# Altium PCB JTAG批量下载板-V1.6-ASCII.PcbDoc (part 11 of 14)
Units mil, origin at the board's own origin, x right, y up, seen from the top; angles counter-clockwise.
Board outline 7947.6 x 7007.76 mil, 2 copper layers (Top Layer, Bottom Layer); 207 components, 340 nets, 1329 pads, 792 vias.
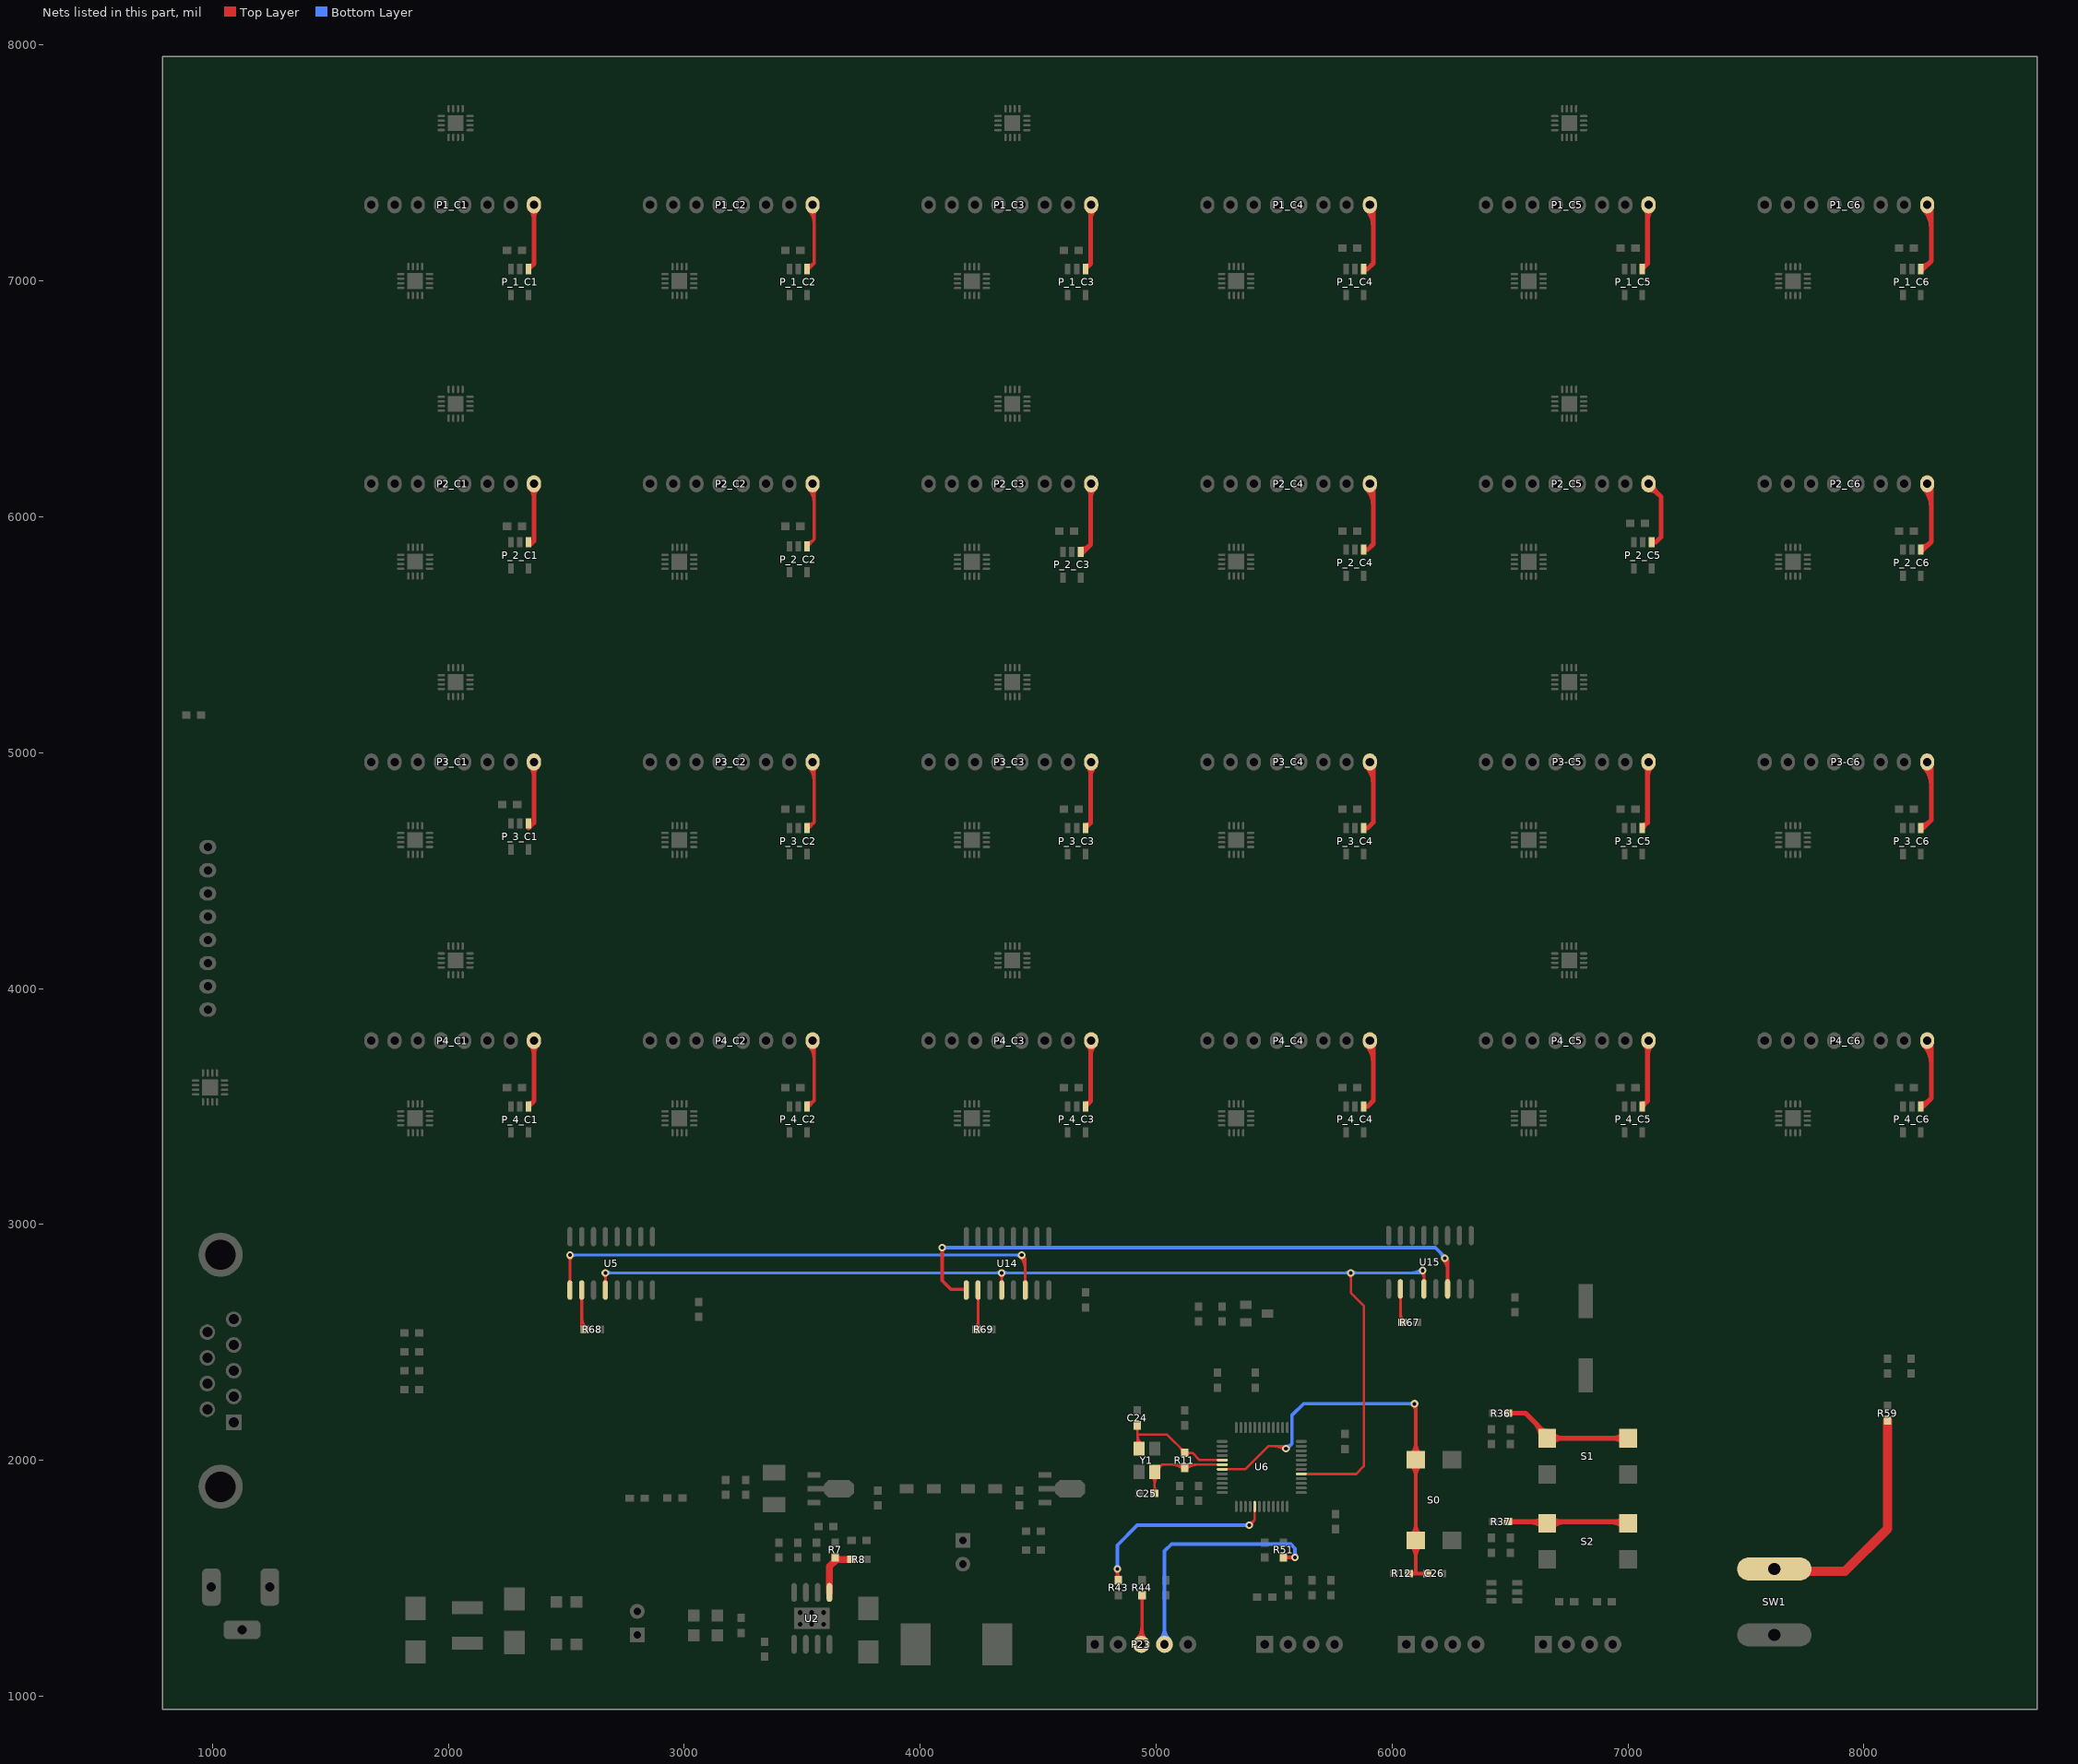
[diagram p11: the nets of this part, all layers, seen from the top]

## Via types
v1: diameter 32, hole 16, Top Layer to Bottom Layer, 721 vias
v2: diameter 50, hole 28, Top Layer to Bottom Layer, 45 vias
v3: diameter 40, hole 20, Top Layer to Bottom Layer, 26 vias

## Nets (pads, with @x,y where several pads share a name; then routed paths per layer and width w, separated by ;. In a path a pad name is that pad's centre, name@x,y a point inside that pad or via, vN(x,y) a via of type N, cw(c..) or ccw(c..) an arc to the next point about the centre after c; other vN are vias at no path point) (continued)
NetR7_2: R7.2 R8.1 U2.5 | length 427.1
  Top Layer w30: U2.5@3615,1440 3615,1550 3645,1580 R8.1@3708.5,1580 ; 3630.57,1565.57 ccw(c3609.6,1586.54) R7.2@3639.25,1586.54 ; 3630.57,1565.57 ccw(c3609.6,1586.54) R7.2@3639.25,1586.54 ; 3630.57,1565.57 ccw(c3609.6,1586.54) R7.2@3639.25,1586.54 ; 3630.57,1565.57 ccw(c3609.6,1586.54) R7.2@3639.25,1586.54 ; 3630.57,1565.57 ccw(c3609.6,1586.54) R7.2@3639.25,1586.54 ; R7.2@3640.53,1587.06 ccw(c3657.58,1604.12) 3657.58,1580 ; R7.2@3640.53,1587.06 ccw(c3657.58,1604.12) 3657.58,1580 ; R7.2@3640.53,1587.06 ccw(c3657.58,1604.12) 3657.58,1580 ; R7.2@3640.53,1587.06 ccw(c3657.58,1604.12) 3657.58,1580 ; R7.2@3640.53,1587.06 ccw(c3657.58,1604.12) 3657.58,1580
NetR36_2: R36.2 S1.3 S1.4 | length 2295.3
  Top Layer w20: R36.2@6491.5,2200 6565,2200 6671.46,2093.54 S1.4@7000,2093.54 ; 6602.21,2162.79 cw(c6534.94,2095.51) S1.3@6630.08,2095.51 ; 6602.21,2162.79 cw(c6534.94,2095.51) S1.3@6630.08,2095.51 ; 6602.21,2162.79 cw(c6534.94,2095.51) S1.3@6630.08,2095.51 ; 6602.21,2162.79 cw(c6534.94,2095.51) S1.3@6630.08,2095.51 ; 6602.21,2162.79 cw(c6534.94,2095.51) S1.3@6630.08,2095.51 ; 6631.2,2133.8 ccw(c6657.48,2160.08) S1.3@6657.48,2122.91 ; 6631.2,2133.8 ccw(c6657.48,2160.08) S1.3@6657.48,2122.91 ; 6631.2,2133.8 ccw(c6657.48,2160.08) S1.3@6657.48,2122.91 ; 6631.2,2133.8 ccw(c6657.48,2160.08) S1.3@6657.48,2122.91 ; 6631.2,2133.8 ccw(c6657.48,2160.08) S1.3@6657.48,2122.91 ; S1.3@6636.35,2128.65 cw(c6603.22,2095.51) S1.3@6650.08,2095.51 ; S1.3@6636.35,2128.65 cw(c6603.22,2095.51) S1.3@6650.08,2095.51 ; S1.3@6636.35,2128.65 cw(c6603.22,2095.51) S1.3@6650.08,2095.51 ; S1.3@6636.35,2128.65 cw(c6603.22,2095.51) S1.3@6650.08,2095.51 ; S1.3@6636.35,2128.65 cw(c6603.22,2095.51) S1.3@6650.08,2095.51 ; S1.3@6676.86,2074.17 cw(c6723.63,2027.39) 6723.63,2093.54 ; S1.3@6676.86,2074.17 cw(c6723.63,2027.39) 6723.63,2093.54 ; S1.3@6676.86,2074.17 cw(c6723.63,2027.39) 6723.63,2093.54 ; S1.3@6676.86,2074.17 cw(c6723.63,2027.39) 6723.63,2093.54 ; S1.3@6676.86,2074.17 cw(c6723.63,2027.39) 6723.63,2093.54 ; S1.3@6676.86,2112.92 ccw(c6723.63,2159.7) 6723.63,2093.54 ; S1.3@6676.86,2112.92 ccw(c6723.63,2159.7) 6723.63,2093.54 ; S1.3@6676.86,2112.92 ccw(c6723.63,2159.7) 6723.63,2093.54 ; S1.3@6676.86,2112.92 ccw(c6723.63,2159.7) 6723.63,2093.54 ; S1.3@6676.86,2112.92 ccw(c6723.63,2159.7) 6723.63,2093.54 ; 6933.85,2093.54 cw(c6933.85,2027.39) S1.4@6980.62,2074.17 ; 6933.85,2093.54 ccw(c6933.85,2159.7) S1.4@6980.62,2112.92 ; 6933.85,2093.54 cw(c6933.85,2027.39) S1.4@6980.62,2074.17 ; 6933.85,2093.54 ccw(c6933.85,2159.7) S1.4@6980.62,2112.92 ; 6933.85,2093.54 cw(c6933.85,2027.39) S1.4@6980.62,2074.17 ; 6933.85,2093.54 ccw(c6933.85,2159.7) S1.4@6980.62,2112.92 ; 6933.85,2093.54 cw(c6933.85,2027.39) S1.4@6980.62,2074.17 ; 6933.85,2093.54 ccw(c6933.85,2159.7) S1.4@6980.62,2112.92 ; 6933.85,2093.54 cw(c6933.85,2027.39) S1.4@6980.62,2074.17 ; 6933.85,2093.54 ccw(c6933.85,2159.7) S1.4@6980.62,2112.92
NetR37_2: R37.2 S2.3 S2.4 | length 2069.9
  Top Layer w20: R37.2@6491.5,1740 6993.54,1740 S2.4@7000,1733.54 ; 6580.49,1740 cw(c6580.49,1658.52) S2.3@6638.1,1716.14 ; 6580.49,1740 cw(c6580.49,1658.52) S2.3@6638.1,1716.14 ; 6580.49,1740 cw(c6580.49,1658.52) S2.3@6638.1,1716.14 ; 6580.49,1740 cw(c6580.49,1658.52) S2.3@6638.1,1716.14 ; 6580.49,1740 cw(c6580.49,1658.52) S2.3@6638.1,1716.14 ; 6602.16,1740 ccw(c6602.16,1790.83) S2.3@6638.1,1754.89 ; 6602.16,1740 ccw(c6602.16,1790.83) S2.3@6638.1,1754.89 ; 6602.16,1740 ccw(c6602.16,1790.83) S2.3@6638.1,1754.89 ; 6602.16,1740 ccw(c6602.16,1790.83) S2.3@6638.1,1754.89 ; 6602.16,1740 ccw(c6602.16,1790.83) S2.3@6638.1,1754.89 ; S2.3@6676.86,1716.14 cw(c6734.47,1658.52) 6734.47,1740 ; S2.3@6676.86,1716.14 cw(c6734.47,1658.52) 6734.47,1740 ; S2.3@6676.86,1716.14 cw(c6734.47,1658.52) 6734.47,1740 ; S2.3@6676.86,1716.14 cw(c6734.47,1658.52) 6734.47,1740 ; S2.3@6676.86,1716.14 cw(c6734.47,1658.52) 6734.47,1740 ; S2.3@6676.86,1754.89 ccw(c6712.8,1790.83) 6712.8,1740 ; S2.3@6676.86,1754.89 ccw(c6712.8,1790.83) 6712.8,1740 ; S2.3@6676.86,1754.89 ccw(c6712.8,1790.83) 6712.8,1740 ; S2.3@6676.86,1754.89 ccw(c6712.8,1790.83) 6712.8,1740 ; S2.3@6676.86,1754.89 ccw(c6712.8,1790.83) 6712.8,1740 ; 6923.01,1740 cw(c6923.01,1658.52) S2.4@6980.62,1716.14 ; 6923.01,1740 cw(c6923.01,1658.52) S2.4@6980.62,1716.14 ; 6923.01,1740 cw(c6923.01,1658.52) S2.4@6980.62,1716.14 ; 6923.01,1740 cw(c6923.01,1658.52) S2.4@6980.62,1716.14 ; 6923.01,1740 cw(c6923.01,1658.52) S2.4@6980.62,1716.14 ; 6944.68,1740 ccw(c6944.68,1790.83) S2.4@6980.62,1754.89 ; 6944.68,1740 ccw(c6944.68,1790.83) S2.4@6980.62,1754.89 ; 6944.68,1740 ccw(c6944.68,1790.83) S2.4@6980.62,1754.89 ; 6944.68,1740 ccw(c6944.68,1790.83) S2.4@6980.62,1754.89 ; 6944.68,1740 ccw(c6944.68,1790.83) S2.4@6980.62,1754.89
NetR59_1: R59.1 SW1.2 | length 1149
  Top Layer w40: SW1.2@7565,1530 7920,1530 8100,1710 R59.1@8100,2168.5 ; SW1.2@7688.92,1560.18 ccw(c7761.79,1633.05) SW1.2@7761.79,1530
NetR67_2: R67.2 U15.10 | length 416.9
  Top Layer w12: U15.10@6035,2726.81 6035,2593.5 R67.2@6043.5,2585 ; U15.10@6031.59,2692.89 cw(c6023.35,2684.65) 6035,2684.65 ; U15.10@6031.59,2692.89 cw(c6023.35,2684.65) 6035,2684.65 ; U15.10@6031.59,2692.89 cw(c6023.35,2684.65) 6035,2684.65 ; U15.10@6031.59,2692.89 cw(c6023.35,2684.65) 6035,2684.65 ; U15.10@6031.59,2692.89 cw(c6023.35,2684.65) 6035,2684.65 ; 6035,2624.31 ccw(c6080.85,2624.31) R67.2@6048.43,2591.89 ; 6035,2624.31 ccw(c6080.85,2624.31) R67.2@6048.43,2591.89 ; 6035,2624.31 ccw(c6080.85,2624.31) R67.2@6048.43,2591.89 ; 6035,2624.31 ccw(c6080.85,2624.31) R67.2@6048.43,2591.89 ; 6035,2624.31 ccw(c6080.85,2624.31) R67.2@6048.43,2591.89 ; 6035,2684.65 cw(c6046.65,2684.65) U15.10@6038.41,2692.89 ; 6035,2684.65 cw(c6046.65,2684.65) U15.10@6038.41,2692.89 ; 6035,2684.65 cw(c6046.65,2684.65) U15.10@6038.41,2692.89 ; 6035,2684.65 cw(c6046.65,2684.65) U15.10@6038.41,2692.89 ; 6035,2684.65 cw(c6046.65,2684.65) U15.10@6038.41,2692.89
NetR68_2: R68.2 U5.10 | length 644.3
  Top Layer w12: U5.10@2565,2721.81 2565,2568.5 R68.2@2578.5,2555 ; U5.10@2561.59,2687.89 cw(c2553.35,2679.65) 2565,2679.65 ; U5.10@2561.59,2687.89 cw(c2553.35,2679.65) 2565,2679.65 ; U5.10@2561.59,2687.89 cw(c2553.35,2679.65) 2565,2679.65 ; U5.10@2561.59,2687.89 cw(c2553.35,2679.65) 2565,2679.65 ; U5.10@2561.59,2687.89 cw(c2553.35,2679.65) 2565,2679.65 ; 2565,2577.41 ccw(c2598.95,2577.41) R68.2@2574.94,2553.41 ; 2565,2577.41 ccw(c2598.95,2577.41) R68.2@2574.94,2553.41 ; 2565,2577.41 ccw(c2598.95,2577.41) R68.2@2574.94,2553.41 ; 2565,2577.41 ccw(c2598.95,2577.41) R68.2@2574.94,2553.41 ; 2565,2577.41 ccw(c2598.95,2577.41) R68.2@2574.94,2553.41 ; 2565,2606.38 ccw(c2627.92,2606.38) R68.2@2583.43,2561.89 ; 2565,2606.38 ccw(c2627.92,2606.38) R68.2@2583.43,2561.89 ; 2565,2606.38 ccw(c2627.92,2606.38) R68.2@2583.43,2561.89 ; 2565,2606.38 ccw(c2627.92,2606.38) R68.2@2583.43,2561.89 ; 2565,2606.38 ccw(c2627.92,2606.38) R68.2@2583.43,2561.89 ; 2565,2679.65 cw(c2576.65,2679.65) U5.10@2568.41,2687.89 ; 2565,2679.65 cw(c2576.65,2679.65) U5.10@2568.41,2687.89 ; 2565,2679.65 cw(c2576.65,2679.65) U5.10@2568.41,2687.89 ; 2565,2679.65 cw(c2576.65,2679.65) U5.10@2568.41,2687.89 ; 2565,2679.65 cw(c2576.65,2679.65) U5.10@2568.41,2687.89
NetR69_2: R69.2 U14.10 | length 414.1
  Top Layer w12: R69.2@4238.5,2555 4245,2561.5 U14.10@4245,2721.81 ; R69.2@4233.58,2561.89 ccw(c4206.01,2589.46) 4245,2589.46 ; R69.2@4233.58,2561.89 ccw(c4206.01,2589.46) 4245,2589.46 ; R69.2@4233.58,2561.89 ccw(c4206.01,2589.46) 4245,2589.46 ; R69.2@4233.58,2561.89 ccw(c4206.01,2589.46) 4245,2589.46 ; R69.2@4233.58,2561.89 ccw(c4206.01,2589.46) 4245,2589.46 ; U14.10@4241.59,2687.89 cw(c4233.35,2679.65) 4245,2679.65 ; U14.10@4241.59,2687.89 cw(c4233.35,2679.65) 4245,2679.65 ; U14.10@4241.59,2687.89 cw(c4233.35,2679.65) 4245,2679.65 ; U14.10@4241.59,2687.89 cw(c4233.35,2679.65) 4245,2679.65 ; U14.10@4241.59,2687.89 cw(c4233.35,2679.65) 4245,2679.65 ; 4245,2679.65 cw(c4256.65,2679.65) U14.10@4248.41,2687.89 ; 4245,2679.65 cw(c4256.65,2679.65) U14.10@4248.41,2687.89 ; 4245,2679.65 cw(c4256.65,2679.65) U14.10@4248.41,2687.89 ; 4245,2679.65 cw(c4256.65,2679.65) U14.10@4248.41,2687.89 ; 4245,2679.65 cw(c4256.65,2679.65) U14.10@4248.41,2687.89
NRST: C26.1 R12.1 S0.1 S0.2 U6.7 | length 4835.1
  Top Layer w10: U6.7@5280,1961.89 5376.89,1961.89 5475,2060 5540,2060 v1(5550,2050) ; 5499.3,2060 cw(c5499.3,1999.3) v1@5542.22,2042.22 ; 5523.44,2060 cw(c5523.44,2023.44) v1@5549.29,2049.29
  Top Layer w16: R12.1@6071.5,1520 C26.1@6148.5,1520 ; v1(6095,2240) 6100,2235 6100,1520 ; R12.1@6078.94,1514.52 cw(c6092.17,1501.29) 6092.17,1520 ; R12.1@6078.94,1514.52 cw(c6092.17,1501.29) 6092.17,1520 ; R12.1@6078.94,1514.52 cw(c6092.17,1501.29) 6092.17,1520 ; R12.1@6078.94,1514.52 cw(c6092.17,1501.29) 6092.17,1520 ; R12.1@6078.94,1514.52 cw(c6092.17,1501.29) 6092.17,1520 ; R12.1@6078.94,1525.48 ccw(c6092.17,1538.71) 6092.17,1520 ; R12.1@6078.94,1525.48 ccw(c6092.17,1538.71) 6092.17,1520 ; R12.1@6078.94,1525.48 ccw(c6092.17,1538.71) 6092.17,1520 ; R12.1@6078.94,1525.48 ccw(c6092.17,1538.71) 6092.17,1520 ; R12.1@6078.94,1525.48 ccw(c6092.17,1538.71) 6092.17,1520 ; S0.1@6079.21,1639.21 cw(c6029.02,1589.02) 6100,1589.02 ; S0.1@6079.21,1639.21 cw(c6029.02,1589.02) 6100,1589.02 ; S0.1@6079.21,1639.21 cw(c6029.02,1589.02) 6100,1589.02 ; S0.1@6079.21,1639.21 cw(c6029.02,1589.02) 6100,1589.02 ; S0.1@6079.21,1639.21 cw(c6029.02,1589.02) 6100,1589.02 ; S0.1@6079.21,1680.79 ccw(c6029.02,1730.98) 6100,1730.98 ; S0.1@6079.21,1680.79 ccw(c6029.02,1730.98) 6100,1730.98 ; S0.1@6079.21,1680.79 ccw(c6029.02,1730.98) 6100,1730.98 ; S0.1@6079.21,1680.79 ccw(c6029.02,1730.98) 6100,1730.98 ; S0.1@6079.21,1680.79 ccw(c6029.02,1730.98) 6100,1730.98 ; S0.2@6079.21,1981.73 cw(c6029.02,1931.54) 6100,1931.54 ; S0.2@6079.21,1981.73 cw(c6029.02,1931.54) 6100,1931.54 ; S0.2@6079.21,1981.73 cw(c6029.02,1931.54) 6100,1931.54 ; S0.2@6079.21,1981.73 cw(c6029.02,1931.54) 6100,1931.54 ; S0.2@6079.21,1981.73 cw(c6029.02,1931.54) 6100,1931.54 ; S0.2@6079.21,2023.31 ccw(c6029.02,2073.5) 6100,2073.5 ; S0.2@6079.21,2023.31 ccw(c6029.02,2073.5) 6100,2073.5 ; S0.2@6079.21,2023.31 ccw(c6029.02,2073.5) 6100,2073.5 ; S0.2@6079.21,2023.31 ccw(c6029.02,2073.5) 6100,2073.5 ; S0.2@6079.21,2023.31 ccw(c6029.02,2073.5) 6100,2073.5 ; v1@6089.34,2234.34 cw(c6063.62,2208.62) 6100,2208.62 ; v1@6089.34,2234.34 cw(c6063.62,2208.62) 6100,2208.62 ; v1@6089.34,2234.34 cw(c6063.62,2208.62) 6100,2208.62 ; v1@6089.34,2234.34 cw(c6063.62,2208.62) 6100,2208.62 ; v1@6089.34,2234.34 cw(c6063.62,2208.62) 6100,2208.62 ; 6100,1589.02 cw(c6170.98,1589.02) S0.1@6120.79,1639.21 ; 6100,1589.02 cw(c6170.98,1589.02) S0.1@6120.79,1639.21 ; 6100,1589.02 cw(c6170.98,1589.02) S0.1@6120.79,1639.21 ; 6100,1589.02 cw(c6170.98,1589.02) S0.1@6120.79,1639.21 ; 6100,1589.02 cw(c6170.98,1589.02) S0.1@6120.79,1639.21 ; 6100,1730.98 ccw(c6170.98,1730.98) S0.1@6120.79,1680.79 ; 6100,1730.98 ccw(c6170.98,1730.98) S0.1@6120.79,1680.79 ; 6100,1730.98 ccw(c6170.98,1730.98) S0.1@6120.79,1680.79 ; 6100,1730.98 ccw(c6170.98,1730.98) S0.1@6120.79,1680.79 ; 6100,1730.98 ccw(c6170.98,1730.98) S0.1@6120.79,1680.79 ; 6100,1931.54 cw(c6170.98,1931.54) S0.2@6120.79,1981.73 ; 6100,1931.54 cw(c6170.98,1931.54) S0.2@6120.79,1981.73 ; 6100,1931.54 cw(c6170.98,1931.54) S0.2@6120.79,1981.73 ; 6100,1931.54 cw(c6170.98,1931.54) S0.2@6120.79,1981.73 ; 6100,1931.54 cw(c6170.98,1931.54) S0.2@6120.79,1981.73 ; 6100,2073.5 ccw(c6170.98,2073.5) S0.2@6120.79,2023.31 ; 6100,2073.5 ccw(c6170.98,2073.5) S0.2@6120.79,2023.31 ; 6100,2073.5 ccw(c6170.98,2073.5) S0.2@6120.79,2023.31 ; 6100,2073.5 ccw(c6170.98,2073.5) S0.2@6120.79,2023.31 ; 6100,2073.5 ccw(c6170.98,2073.5) S0.2@6120.79,2023.31 ; 6127.83,1520 cw(c6127.83,1501.29) C26.1@6141.06,1514.52 ; 6127.83,1520 ccw(c6127.83,1538.71) C26.1@6141.06,1525.48 ; 6127.83,1520 cw(c6127.83,1501.29) C26.1@6141.06,1514.52 ; 6127.83,1520 ccw(c6127.83,1538.71) C26.1@6141.06,1525.48 ; 6127.83,1520 cw(c6127.83,1501.29) C26.1@6141.06,1514.52 ; 6127.83,1520 ccw(c6127.83,1538.71) C26.1@6141.06,1525.48 ; 6127.83,1520 cw(c6127.83,1501.29) C26.1@6141.06,1514.52 ; 6127.83,1520 ccw(c6127.83,1538.71) C26.1@6141.06,1525.48 ; 6127.83,1520 cw(c6127.83,1501.29) C26.1@6141.06,1514.52 ; 6127.83,1520 ccw(c6127.83,1538.71) C26.1@6141.06,1525.48
  Bottom Layer w15: v1(5550,2050) 5555,2050 5575,2070 5575,2190 5625,2240 v1@6090,2240 ; v1@5550,2058.5 ccw(c5550,2091.09) 5573.05,2068.05 ; v1@5550,2058.5 ccw(c5550,2091.09) 5573.05,2068.05 ; v1@5550,2058.5 ccw(c5550,2091.09) 5573.05,2068.05 ; v1@5550,2058.5 ccw(c5550,2091.09) 5573.05,2068.05 ; v1@5550,2058.5 ccw(c5550,2091.09) 5573.05,2068.05 ; 6074.48,2240 cw(c6074.48,2219.48) v1@6088.99,2233.99 ; 6074.48,2240 ccw(c6074.48,2260.52) v1@6088.99,2246.01 ; 6074.48,2240 cw(c6074.48,2219.48) v1@6088.99,2233.99 ; 6074.48,2240 ccw(c6074.48,2260.52) v1@6088.99,2246.01 ; 6074.48,2240 cw(c6074.48,2219.48) v1@6088.99,2233.99 ; 6074.48,2240 ccw(c6074.48,2260.52) v1@6088.99,2246.01 ; 6074.48,2240 cw(c6074.48,2219.48) v1@6088.99,2233.99 ; 6074.48,2240 ccw(c6074.48,2260.52) v1@6088.99,2246.01 ; 6074.48,2240 cw(c6074.48,2219.48) v1@6088.99,2233.99 ; 6074.48,2240 ccw(c6074.48,2260.52) v1@6088.99,2246.01
OSC_IN: C24.1 R11.1 U6.5 Y1.3 | length 1638.4
  Top Layer w10: 4920,2110 5045,2110 R11.1@5121.75,2033.25 ; C24.1@4920,2148.5 4920,2055.75 Y1.3@4926.54,2049.21 ; R11.1@5123.5,2031.5 5153.5,2031.5 5183.74,2001.26 U6.5@5280,2001.26 ; C24.1@4912.4,2138.94 cw(c4894.05,2120.59) 4920,2120.59 ; C24.1@4912.4,2138.94 cw(c4894.05,2120.59) 4920,2120.59 ; C24.1@4912.4,2138.94 cw(c4894.05,2120.59) 4920,2120.59 ; C24.1@4912.4,2138.94 cw(c4894.05,2120.59) 4920,2120.59 ; C24.1@4912.4,2138.94 cw(c4894.05,2120.59) 4920,2120.59 ; Y1.3@4913.37,2068.29 ccw(c4897.36,2084.3) 4920,2084.3 ; Y1.3@4913.37,2068.29 ccw(c4897.36,2084.3) 4920,2084.3 ; Y1.3@4913.37,2068.29 ccw(c4897.36,2084.3) 4920,2084.3 ; Y1.3@4913.37,2068.29 ccw(c4897.36,2084.3) 4920,2084.3 ; Y1.3@4913.37,2068.29 ccw(c4897.36,2084.3) 4920,2084.3 ; 4920,2091.71 ccw(c4963.13,2091.71) Y1.3@4932.63,2061.21 ; 4920,2091.71 ccw(c4963.13,2091.71) Y1.3@4932.63,2061.21 ; 4920,2091.71 ccw(c4963.13,2091.71) Y1.3@4932.63,2061.21 ; 4920,2091.71 ccw(c4963.13,2091.71) Y1.3@4932.63,2061.21 ; 4920,2091.71 ccw(c4963.13,2091.71) Y1.3@4932.63,2061.21 ; 4920,2115.85 ccw(c4987.27,2115.85) Y1.3@4939.7,2068.29 ; 4920,2115.85 ccw(c4987.27,2115.85) Y1.3@4939.7,2068.29 ; 4920,2115.85 ccw(c4987.27,2115.85) Y1.3@4939.7,2068.29 ; 4920,2115.85 ccw(c4987.27,2115.85) Y1.3@4939.7,2068.29 ; 4920,2115.85 ccw(c4987.27,2115.85) Y1.3@4939.7,2068.29 ; 4920,2120.59 cw(c4945.95,2120.59) C24.1@4927.6,2138.94 ; 4920,2120.59 cw(c4945.95,2120.59) C24.1@4927.6,2138.94 ; 4920,2120.59 cw(c4945.95,2120.59) C24.1@4927.6,2138.94 ; 4920,2120.59 cw(c4945.95,2120.59) C24.1@4927.6,2138.94 ; 4920,2120.59 cw(c4945.95,2120.59) C24.1@4927.6,2138.94 ; 5100.57,2054.43 cw(c5079.6,2033.46) R11.1@5109.25,2033.46 ; 5100.57,2054.43 cw(c5079.6,2033.46) R11.1@5109.25,2033.46 ; 5100.57,2054.43 cw(c5079.6,2033.46) R11.1@5109.25,2033.46 ; 5100.57,2054.43 cw(c5079.6,2033.46) R11.1@5109.25,2033.46 ; 5100.57,2054.43 cw(c5079.6,2033.46) R11.1@5109.25,2033.46 ; 5104.27,2050.73 ccw(c5120,2066.45) R11.1@5120,2044.21 ; 5104.27,2050.73 ccw(c5120,2066.45) R11.1@5120,2044.21 ; 5104.27,2050.73 ccw(c5120,2066.45) R11.1@5120,2044.21 ; 5104.27,2050.73 ccw(c5120,2066.45) R11.1@5120,2044.21 ; 5104.27,2050.73 ccw(c5120,2066.45) R11.1@5120,2044.21 ; R11.1@5127.6,2023.9 cw(c5145.95,2005.55) 5145.95,2031.5 ; R11.1@5127.6,2023.9 cw(c5145.95,2005.55) 5145.95,2031.5 ; R11.1@5127.6,2023.9 cw(c5145.95,2005.55) 5145.95,2031.5 ; R11.1@5127.6,2023.9 cw(c5145.95,2005.55) 5145.95,2031.5 ; R11.1@5127.6,2023.9 cw(c5145.95,2005.55) 5145.95,2031.5 ; R11.1@5127.6,2039.1 ccw(c5145.95,2057.44) 5145.95,2031.5 ; R11.1@5127.6,2039.1 ccw(c5145.95,2057.44) 5145.95,2031.5 ; R11.1@5127.6,2039.1 ccw(c5145.95,2057.44) 5145.95,2031.5 ; R11.1@5127.6,2039.1 ccw(c5145.95,2057.44) 5145.95,2031.5 ; R11.1@5127.6,2039.1 ccw(c5145.95,2057.44) 5145.95,2031.5
OSC_OUT: C25.1 R11.2 U6.6 Y1.1 | length 1696.9
  Top Layer w10: C25.1@4991.5,1860 4993.46,1861.97 Y1.1@4993.46,1950.79 5024.25,1981.57 ; R11.2@5120.53,1969.94 cw(c5148.61,1941.86) 5148.61,1981.57 ; R11.2@5127.6,1962.87 cw(c5172.75,1917.72) 5172.75,1981.57 ; U6.6@5280,1981.57 5024.25,1981.57 ; Y1.1@4980.3,1931.71 cw(c4948.51,1899.92) 4993.46,1899.92 ; Y1.1@4980.3,1931.71 cw(c4948.51,1899.92) 4993.46,1899.92 ; Y1.1@4980.3,1931.71 cw(c4948.51,1899.92) 4993.46,1899.92 ; Y1.1@4980.3,1931.71 cw(c4948.51,1899.92) 4993.46,1899.92 ; Y1.1@4980.3,1931.71 cw(c4948.51,1899.92) 4993.46,1899.92 ; C25.1@4985.86,1867.6 ccw(c4967.52,1885.95) 4993.46,1885.95 ; C25.1@4985.86,1867.6 ccw(c4967.52,1885.95) 4993.46,1885.95 ; C25.1@4985.86,1867.6 ccw(c4967.52,1885.95) 4993.46,1885.95 ; C25.1@4985.86,1867.6 ccw(c4967.52,1885.95) 4993.46,1885.95 ; C25.1@4985.86,1867.6 ccw(c4967.52,1885.95) 4993.46,1885.95 ; 4993.46,1885.95 ccw(c5019.41,1885.95) C25.1@5001.06,1867.6 ; 4993.46,1885.95 ccw(c5019.41,1885.95) C25.1@5001.06,1867.6 ; 4993.46,1885.95 ccw(c5019.41,1885.95) C25.1@5001.06,1867.6 ; 4993.46,1885.95 ccw(c5019.41,1885.95) C25.1@5001.06,1867.6 ; 4993.46,1885.95 ccw(c5019.41,1885.95) C25.1@5001.06,1867.6 ; 4993.46,1899.92 cw(c5038.42,1899.92) Y1.1@5006.63,1931.71 ; 4993.46,1899.92 cw(c5038.42,1899.92) Y1.1@5006.63,1931.71 ; 4993.46,1899.92 cw(c5038.42,1899.92) Y1.1@5006.63,1931.71 ; 4993.46,1899.92 cw(c5038.42,1899.92) Y1.1@5006.63,1931.71 ; 4993.46,1899.92 cw(c5038.42,1899.92) Y1.1@5006.63,1931.71 ; Y1.1@4998.33,1974.67 ccw(c5005.33,2000.49) 5024.25,1981.57 ; Y1.1@4998.33,1974.67 ccw(c5005.33,2000.49) 5024.25,1981.57 ; Y1.1@4998.33,1974.67 ccw(c5005.33,2000.49) 5024.25,1981.57 ; Y1.1@4998.33,1974.67 ccw(c5005.33,2000.49) 5024.25,1981.57 ; Y1.1@4998.33,1974.67 ccw(c5005.33,2000.49) 5024.25,1981.57 ; Y1.1@5012.09,1956.69 cw(c5042.79,1956.69) 5021.08,1978.4 ; Y1.1@5012.09,1956.69 cw(c5042.79,1956.69) 5021.08,1978.4 ; Y1.1@5012.09,1956.69 cw(c5042.79,1956.69) 5021.08,1978.4 ; Y1.1@5012.09,1956.69 cw(c5042.79,1956.69) 5021.08,1978.4 ; Y1.1@5012.09,1956.69 cw(c5042.79,1956.69) 5021.08,1978.4 ; 5067.25,1981.57 cw(c5067.25,1917.72) R11.2@5112.4,1962.87 ; 5067.25,1981.57 cw(c5067.25,1917.72) R11.2@5112.4,1962.87 ; 5067.25,1981.57 cw(c5067.25,1917.72) R11.2@5112.4,1962.87 ; 5067.25,1981.57 cw(c5067.25,1917.72) R11.2@5112.4,1962.87 ; 5067.25,1981.57 cw(c5067.25,1917.72) R11.2@5112.4,1962.87 ; 5091.39,1981.57 cw(c5091.39,1941.86) R11.2@5119.47,1969.94 ; 5091.39,1981.57 cw(c5091.39,1941.86) R11.2@5119.47,1969.94 ; 5091.39,1981.57 cw(c5091.39,1941.86) R11.2@5119.47,1969.94 ; 5091.39,1981.57 cw(c5091.39,1941.86) R11.2@5119.47,1969.94 ; 5091.39,1981.57 cw(c5091.39,1941.86) R11.2@5119.47,1969.94
PRT_DTR: R43.2 U6.17 | length 1666.4
  Top Layer w10: v1(5395,1725) 5417.8,1747.8 U6.17@5417.8,1804.41 ; v1@5395,1736 ccw(c5395,1762.56) 5413.78,1743.78 ; v1@5395,1736 ccw(c5395,1762.56) 5413.78,1743.78 ; v1@5395,1736 ccw(c5395,1762.56) 5413.78,1743.78 ; v1@5395,1736 ccw(c5395,1762.56) 5413.78,1743.78 ; v1@5395,1736 ccw(c5395,1762.56) 5413.78,1743.78 ; v1@5406,1725 cw(c5432.56,1725) 5413.78,1743.78 ; v1@5406,1725 cw(c5432.56,1725) 5413.78,1743.78 ; v1@5406,1725 cw(c5432.56,1725) 5413.78,1743.78 ; v1@5406,1725 cw(c5432.56,1725) 5413.78,1743.78 ; v1@5406,1725 cw(c5432.56,1725) 5413.78,1743.78